# Altium PCB 运输机器人3-1.PcbDoc (part 1 of 2)
Units mm, origin at the board's own origin, x right, y up, seen from the top; angles counter-clockwise.
Board outline 125.02 x 100 mm, 2 copper layers (Top Layer, Bottom Layer); 140 components, 101 nets, 574 pads, 150 vias.
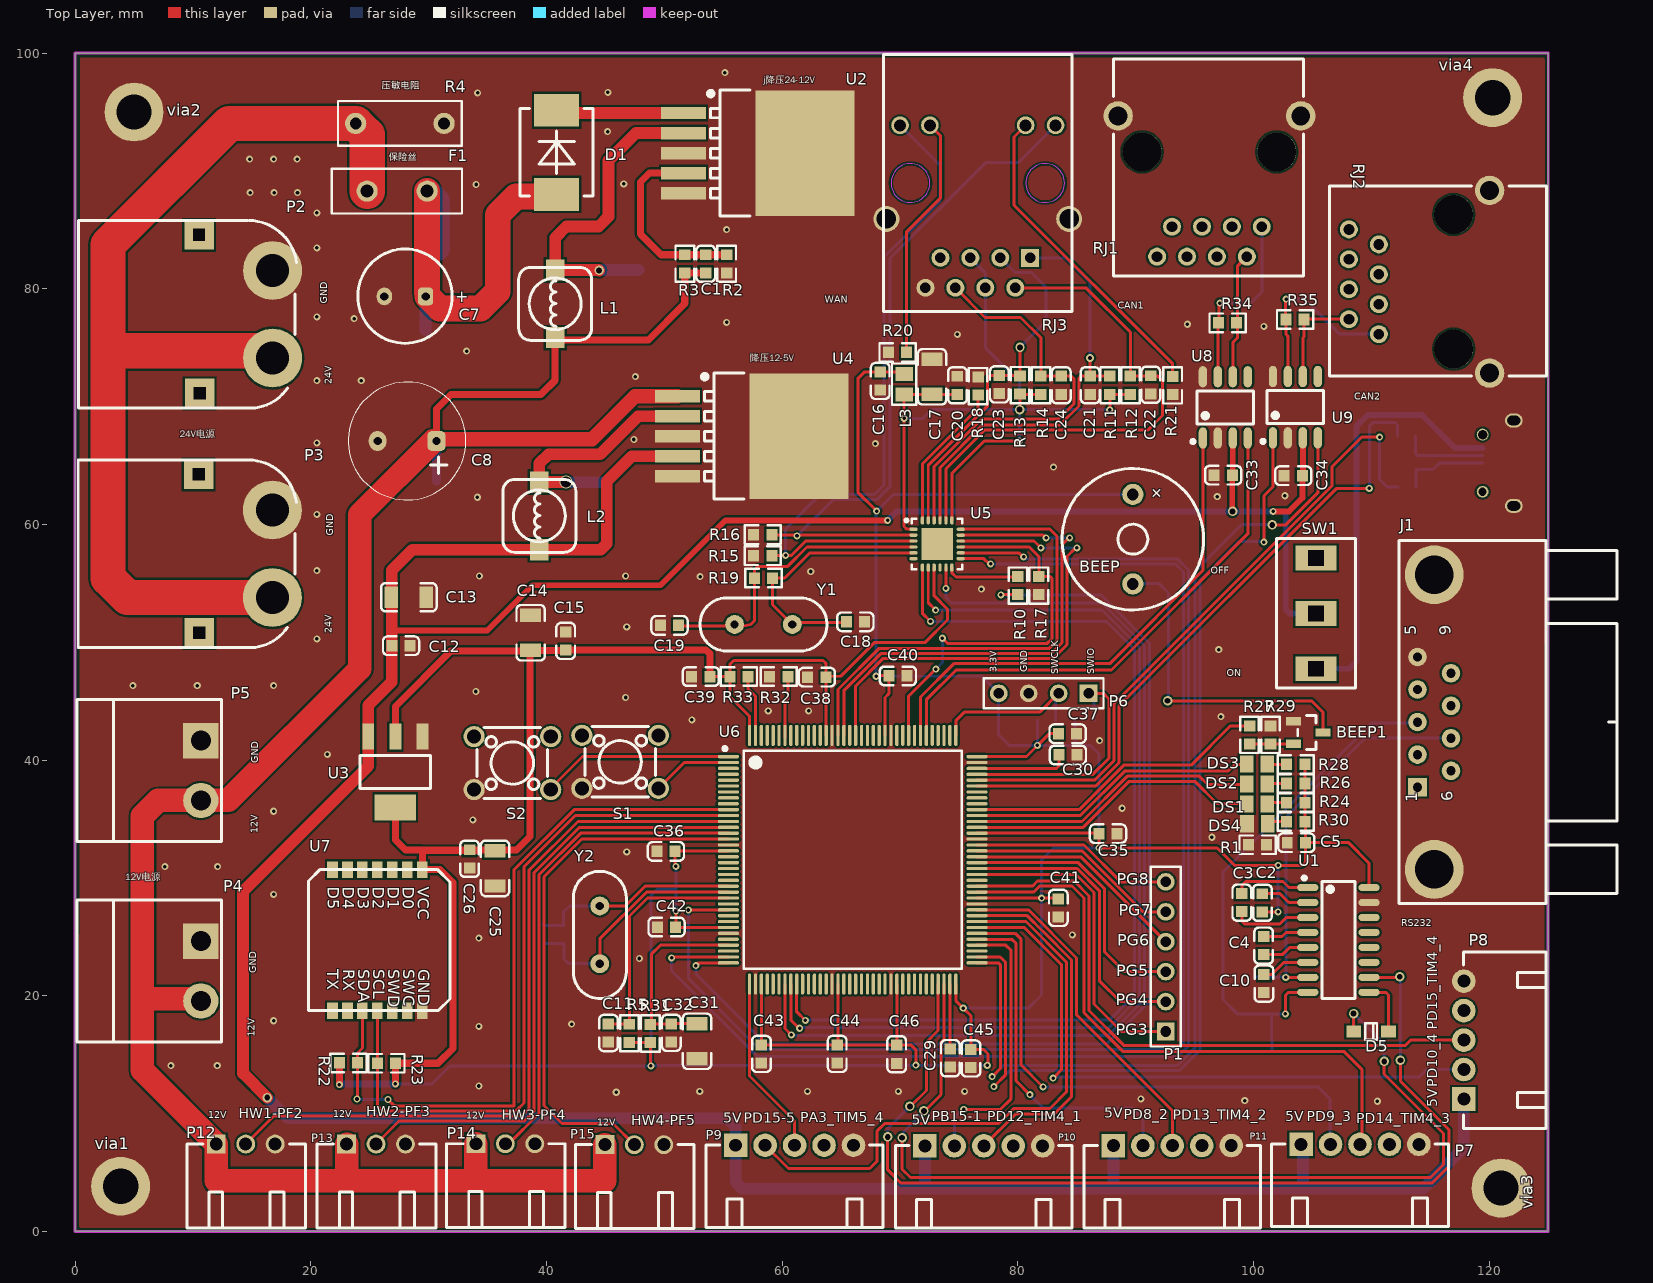
[diagram p0: Top Layer view]
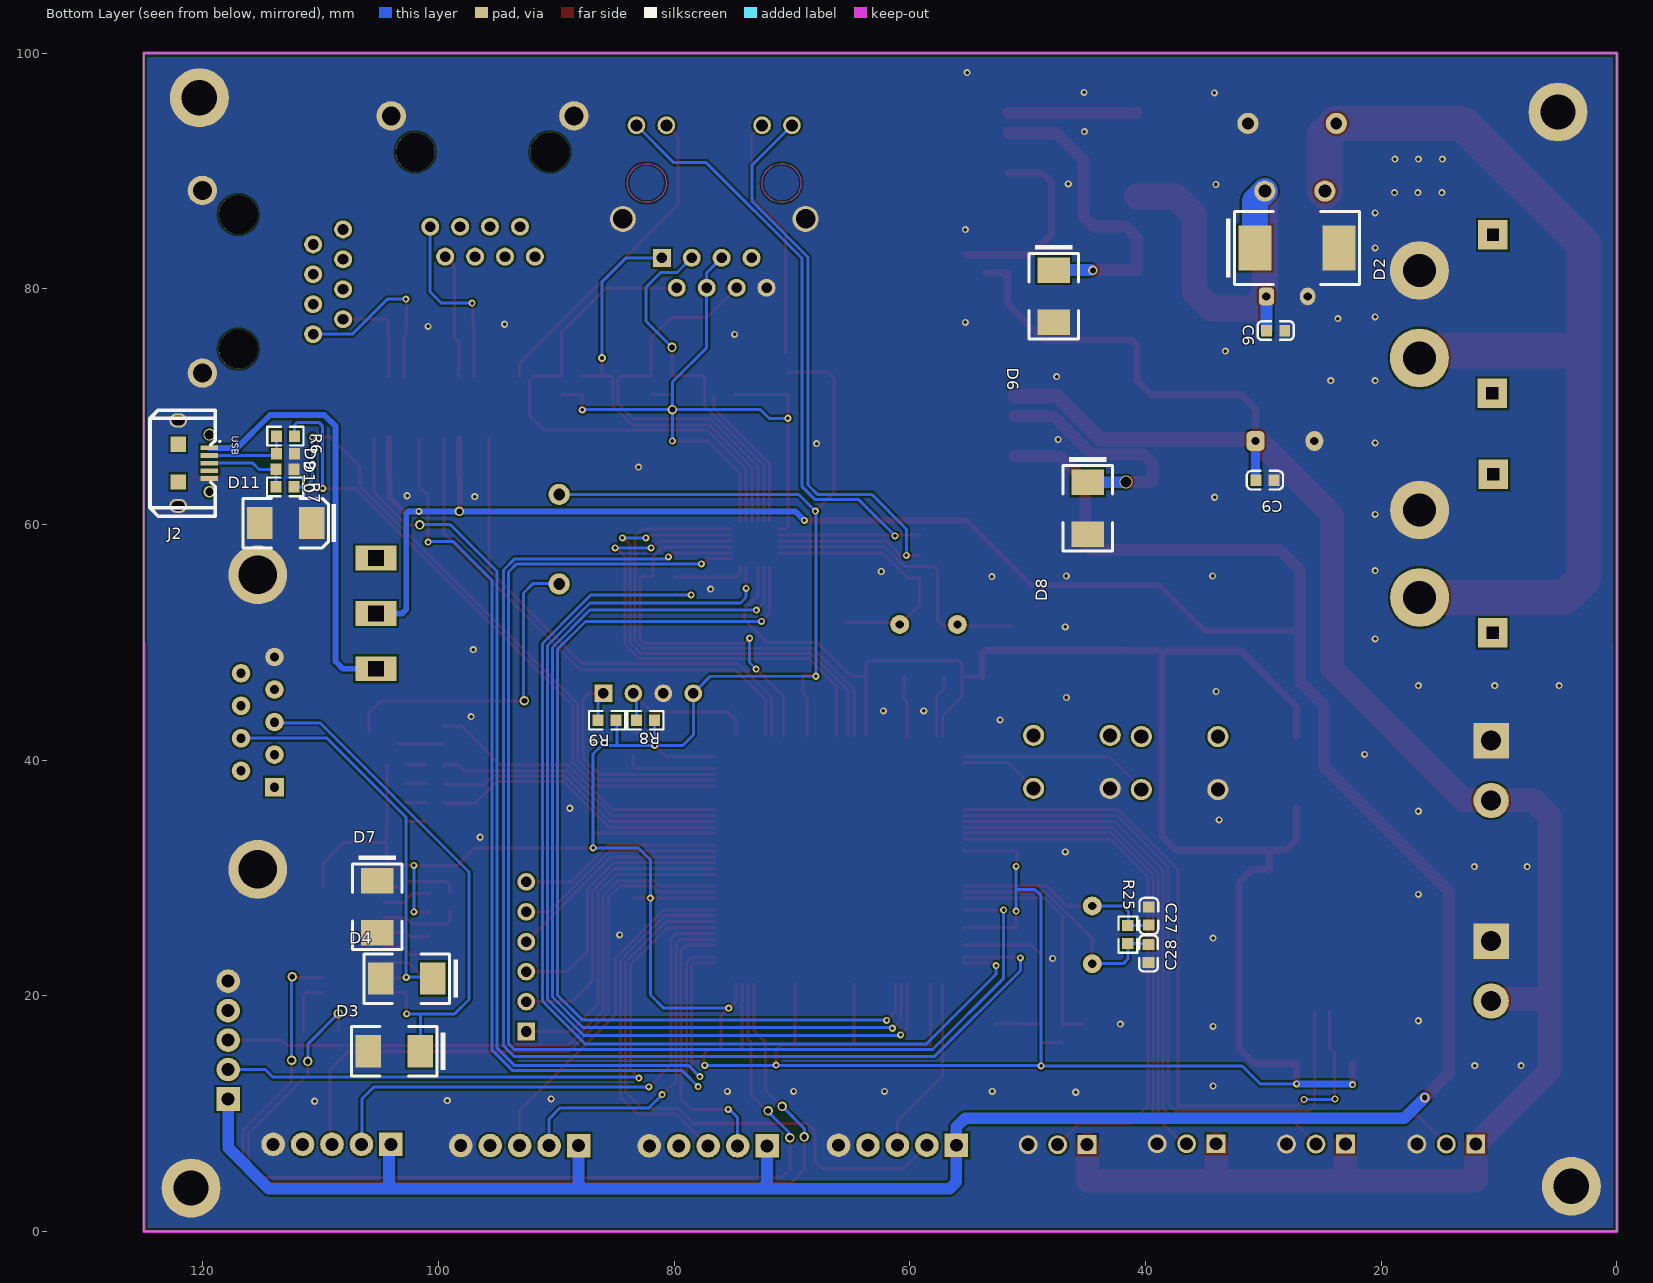
[diagram p1: Bottom Layer view, seen from below]
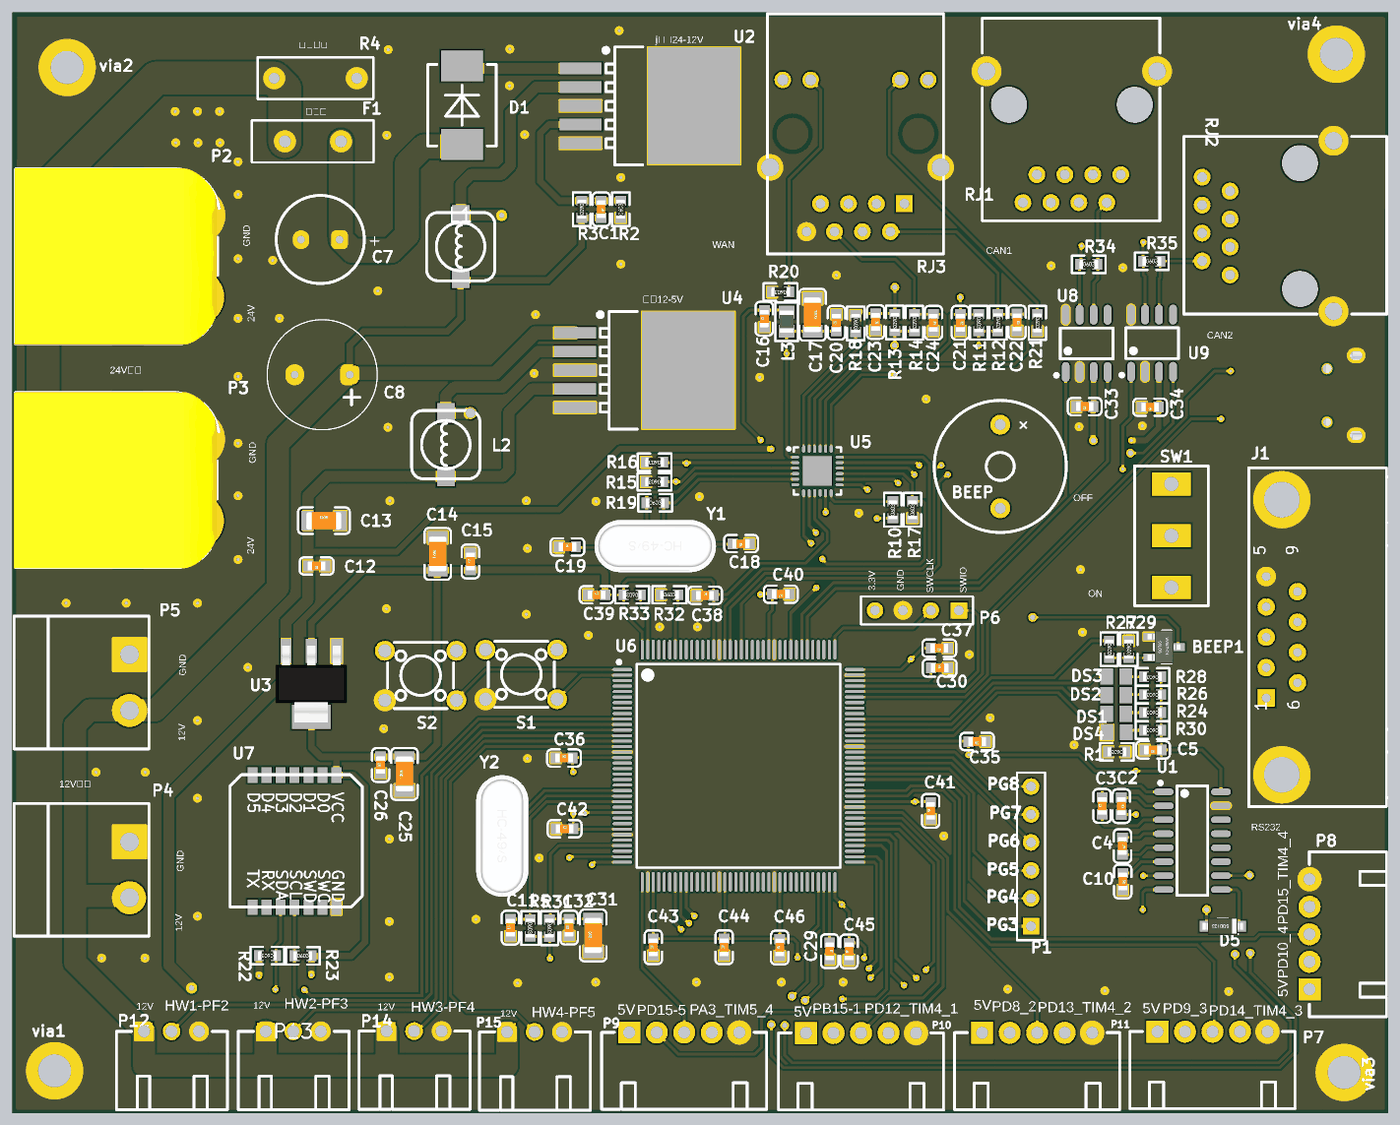
[diagram p3: 3D render of the assembled board from above, using the file's embedded part models]
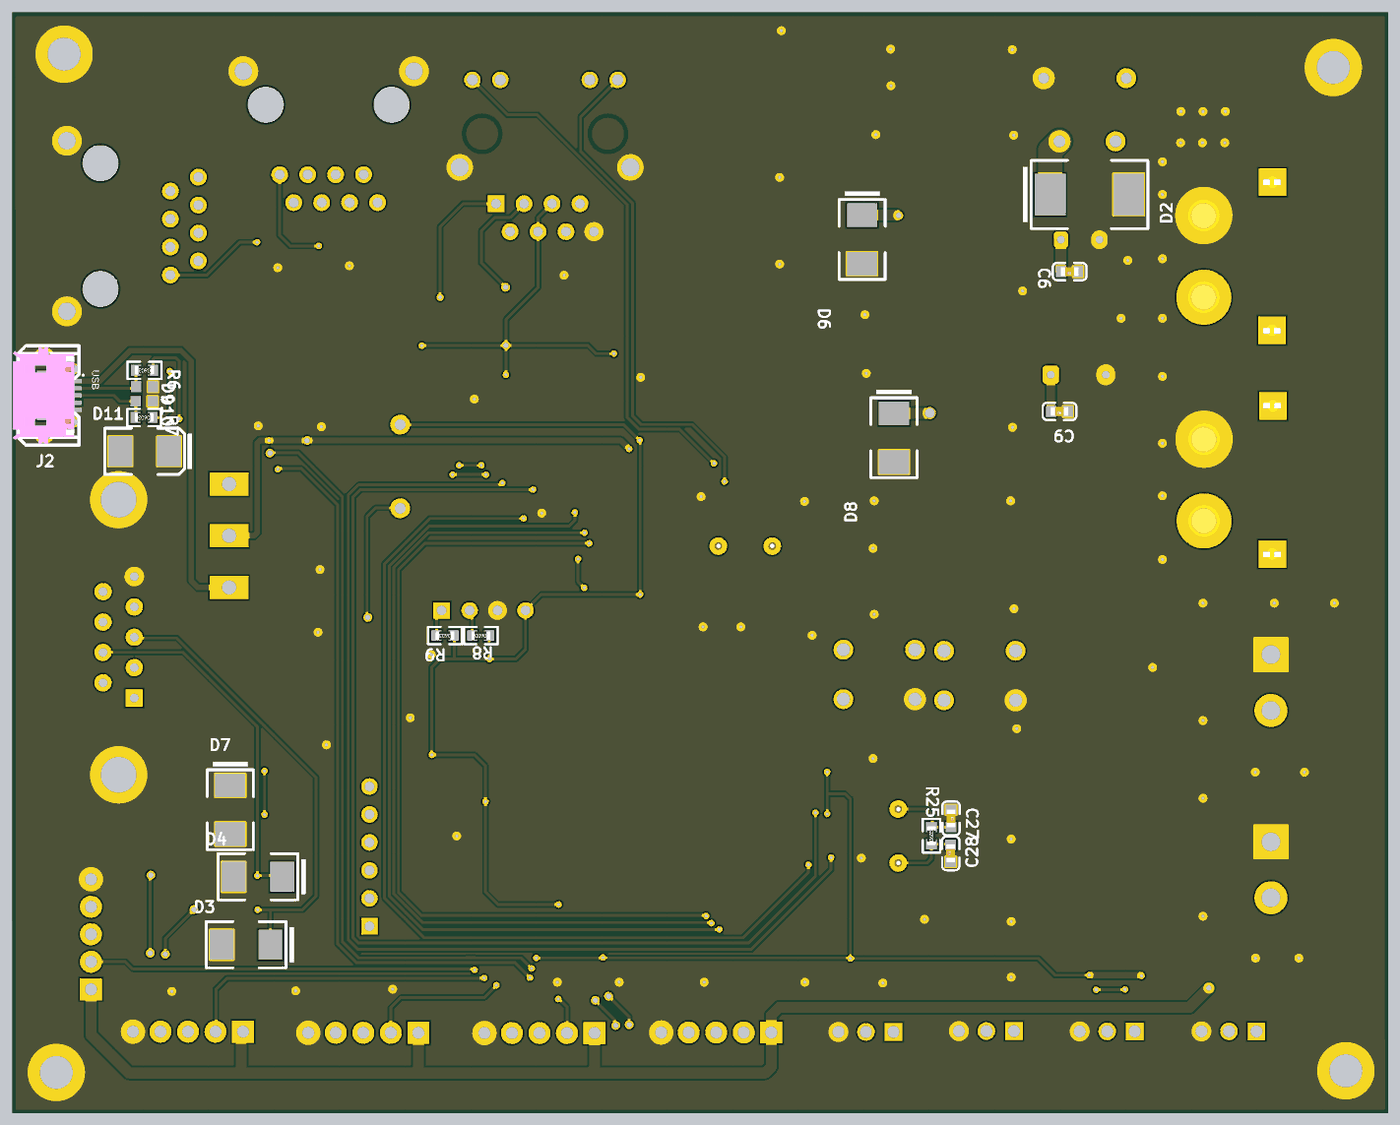
[diagram p4: 3D render of the assembled board from below, using the file's embedded part models]

## Layer stack, top to bottom
Top Solder: solder mask 0.0102, Solder Resist, Dk 3.5
Top Layer: signal copper 0.0356
Dielectric 1: dielectric 0.32, FR-4, Dk 4.8
Bottom Layer: signal copper 0.0356
Bottom Solder: solder mask 0.0102, Solder Resist, Dk 3.5

## Board outline
0,0 125,0 125.019,100 0,100

## Design rules (kind name [scope] priority, off if disabled: settings)
Clearance xian [All] p1: gap=0.17 ignorepadtopadclearanceinfootprint=FALSE except(0: Arc-Hole Track-Hole SMDPad-Hole THPad-Hole Via-Hole Fill-Hole Poly-Hole Region-Hole Text-Hole)
Clearance [All] p2: gap=0.254 ignorepadtopadclearanceinfootprint=FALSE except(0: Arc-Hole Track-Hole SMDPad-Hole THPad-Hole Via-Hole Fill-Hole Poly-Hole Region-Hole Text-Hole)
ComponentClearance [All] p1: gap=0 collisioncheckmode=3 verticalgap=0 showdistances=FALSE
PolygonConnect [All] p1: connectstyle=Direct reliefconductorwidth=0.254 reliefentries=4 polygonreliefangle="90 Angle" airgapwidth=0.254
RoutingVias [All] p1: holewidth=0.711 width=1.27 viastyle="Through Hole" minholewidth=0.711 minwidth=1.27 maxholewidth=0.711 maxwidth=1.27
SolderMaskExpansion [All] p1: expansion=0.102 istentingtop=FALSE
Width [All] p1: maxlimit=5 minlimit=0.254 preferedwidth=0.254
29 further rules are at their usual default settings.

## Components (designator, comment, footprint, x,y, rotation, side; value= is the part's Value field where it differs from the comment)
BEEP "BEEP" LB-BUZ-TH_BD12.0-P7.60-D0.6-FD 89.764,58.75 r270 top
BEEP1 "S8050" LC-SOT-23(SOT-23-3) 104.648,42.342 r180 top
C1 "100nF ±10% 50V" LC-0603_C 53.518,82.118 r270 top
C2 "100nF ±10% 50V" LC-0603_C 100.762,27.889 r270 top
C3 "100nF ±10% 50V" LC-0603_C 99.009,27.907 r90 top
C4 "100nF ±10% 50V" LC-0603_C 100.863,24.257 r270 top
C5 "100nF ±10% 50V" LC-0603_C 103.64,32.995 r180 top
C6 "100nF ±10% 50V" LC-0603_C 28.956,76.454 r0 bottom
C7 "100uF ±10% 50V" "C-RB.1/.4 8*12" 27.993,79.35 r0 top
C8 "220uF ±10% 50V" "C-RB.2/.4 ¦µ10" 28.169,67.081 r0 top
C9 "100nF ±10% 50V" LC-0603_C 29.87,63.754 r0 bottom
C10 "100nF ±10% 50V" LC-0603_C 100.889,21.031 r270 top
C11 "100nF ±10% 50V" LC-0603_C 45.263,16.84 r90 top
C12 "100nF ±10% 50V" LC-0603_C 27.661,49.708 r180 top
C13 "47uF ±10% 50V" LC-1206_C 28.321,53.823 r0 top
C14 "10uF ±10% 50V" LC-1206_C 38.659,50.809 r90 top
C15 "100nF ±10% 50V" LC-0603_C 41.631,50.114 r90 top
C16 "100nF ±10% 50V" LC-0603_C 68.326,72.178 r90 top
C17 "10uF ±10％ 50V" LC-1206_C 72.72,72.534 r270 top
C18 "22pF ±10% 50V" LC-0603_C 66.218,51.74 r180 top
C19 "22pF ±10% 50V" LC-0603_C 50.444,51.435 r0 top
C20 "22nF ±10% 50V" LC-0603_C 74.879,71.806 r90 top
C21 "10pF ±10% 50V" LC-0603_C 86.14,71.814 r270 top
C22 "10pF ±10% 50V" LC-0603_C 91.288,71.849 r270 top
C23 "10pF ±10% 50V" LC-0603_C 78.435,71.882 r270 top
C24 "10pF ±10% 50V" LC-0603_C 83.693,71.814 r270 top
C25 "10uF ±10% 50V" LC-1206_C 35.636,30.81 r90 top
C26 "100nF ±10% 50V" LC-0603_C 33.477,31.623 r90 top
C27 "22pF ±10% 50V" LC-0603_C 39.726,26.772 r270 bottom
C28 "22pF ±10% 50V" LC-0603_C 39.751,23.597 r90 bottom
C29 "2.2uF ±10% 50V" LC-0603_C 74.27,14.707 r270 top
C30 "2.2uF ±10% 50V" LC-0603_C 84.252,40.437 r0 top
C31 "10uF ±10％ 50V" LC-1206_C 52.781,16.138 r90 top
C32 "100nF ±10% 50V" LC-0603_C 50.597,16.849 r90 top
C33 "100nF ±10% 50V" LC-0603_C 97.434,64.186 r180 top
C34 "100nF ±10% 50V" LC-0603_C 103.378,64.135 r180 top
C35 "100nF ±10% 50V" LC-0603_C 87.655,33.757 r180 top
C36 "100nF ±10% 50V" LC-0603_C 50.14,32.258 r0 top
C37 "100nF ±10% 50V" LC-0603_C 84.226,42.24 r180 top
C38 "100nF ±10% 50V" LC-0603_C 62.941,47.041 r0 top
C39 "100nF ±10% 50V" LC-0603_C 53.095,47.092 r0 top
C40 "100nF ±10% 50V" LC-0603_C 69.825,47.142 r180 top
C41 "100nF ±10% 50V" LC-0603_C 83.439,27.457 r90 top
C42 "100nF ±10% 50V" LC-0603_C 50.19,25.832 r0 top
C43 "100nF ±10% 50V" LC-0603_C 58.242,15.062 r90 top
C44 "100nF ±10% 50V" LC-0603_C 64.676,15.062 r90 top
C45 "100nF ±10% 50V" LC-0603_C 76.022,14.681 r90 top
C46 "100nF ±10% 50V" LC-0603_C 69.723,15.037 r90 top
D1 "SS56" LC-SMC(DO-214AB)_S2 40.869,91.58 r270 top
D2 "TPSMCJ30CA" LC-SMC(DO-214AB)_S4 27.153,83.464 r180 bottom
D3 "SMBJ12CA" LC-SMB(DO-214AA)_S4 103.771,15.291 r0 bottom
D4 "SMBJ12CA" LC-SMB(DO-214AA)_S4 102.69,21.463 r0 bottom
D5 "B0540肖特基二极管备用" LC-SOD-123 109.982,16.967 r180 top
D6 "SS54" LC-SMB(DO-214AA)_S4 47.803,79.375 r270 bottom
D7 "SMBJ12CA" LC-SMB(DO-214AA)_S4 105.207,27.559 r270 bottom
D8 "SS54" LC-SMB(DO-214AA)_S4 44.907,61.366 r270 bottom
D9 "ESD0402 美国力特" LC-0603 112.997,65.989 r0 bottom
D10 "ESD0402-140 美国立特" LC-0603 113.022,64.668 r0 bottom
D11 "SMBJ15CA" LC-SMB(DO-214AA)_S5 112.979,60.122 r0 bottom
DS1 "LED1" LC-0805 100.305,36.271 r180 top
DS2 "LED1" LC-0805 100.305,37.973 r180 top
DS3 "LED1" LC-0805 100.305,39.675 r180 top
DS4 "LED0" LC-0805 100.33,34.595 r180 top
F1 "JK30 10A" JK60-110 27.33,88.29 r0 top
J1 "D Connector 9" LB-DSUB-TH_DMR-9P 115.344,43.231 r0 top
J2 "MicroUSB" "MicroUSB - Å£½ÇÎÞ±ß" 119.448,65.202 r0 bottom
L1 "Inductor" SMDRH63 40.742,81.595 r0 top
L2 "Inductor" SMDRH63 39.395,63.602 r0 top
L3 "220R,2.0A,0.05DCR" LC-0805_L 70.358,71.899 r90 top
P1 "Header 6" HDR1X6 92.558,16.967 r90 top
P2 "Header 2" LB-XT60PW 10.541,77.851 r90 top
P3 "Header 2" LB-XT60PW 10.516,57.525 r90 top
P4 "Header 2" LB-CONN-TH_2P-P5.08_WJ2EDGRC-5.08-2P 10.668,22.098 r270 top
P5 "Header 2" LB-CONN-TH_2P-P5.08_WJ2EDGRC-5.08-2P 10.668,39.116 r270 top
P6 "Header 4" HDR1X4 86.004,45.669 r180 top
P7 "Header 5" LB-CONN-TH_5P-P2.50_X8821WR-05S-N0SN 109.042,7.391 r0 top
P8 "Header 5" LB-CONN-TH_5P-P2.50_X8821WR-05S-N0SN 117.856,16.241 r90 top
P9 "Header 5" LB-CONN-TH_5P-P2.50_X8821WR-05S-N0SN 61.058,7.315 r0 top
P10 "Header 5" LB-CONN-TH_5P-P2.50_X8821WR-05S-N0SN 77.114,7.264 r0 top
P11 "Header 5" LB-CONN-TH_5P-P2.50_X8821WR-05S-N0SN 93.116,7.29 r0 top
P12 "Header 3" LB-CONN-TH_3P-P2.50_X8821WR-03S-N0SN 14.478,7.417 r0 top
P13 "Header 3" LB-CONN-TH_3P-P2.50_X8821WR-03S-N0SN 25.538,7.417 r0 top
P14 "Header 3" LB-CONN-TH_3P-P2.50_X8821WR-03S-N0SN 36.514,7.442 r0 top
P15 "Header 3" LB-CONN-TH_3P-P2.50_X8821WR-03S-N0SN 47.458,7.366 r0 top
R1 "1KΩ ±1%" LC-0603_R 100.355,32.817 r180 top
R2 "2KΩ ±1%" LC-0603_R 55.296,82.118 r90 top
R3 "20KΩ ±1%" LC-0603_R 51.74,82.118 r270 top
R4 "30V 720pF" R-7.5 27.559,94.031 r180 top
R5 "10KΩ ±1%" LC-0603_R 47.041,16.815 r270 top
R6 "0R ± 1%" LC-0603_R 112.997,67.488 r0 bottom
R7 "0R ± 1%" LC-0603_R 113.03,63.195 r0 bottom
R8 "120Ω ±1%" LC-0603_R 82.448,43.383 r0 bottom
R9 "120Ω ±1%" LC-0603_R 85.7,43.383 r0 bottom
R10 "510Ω ±1%" LC-0603_R 80.01,54.813 r90 top
R11 "49.9Ω ±1%" LC-0603_R 87.808,71.814 r270 top
R12 "49.9Ω ±1%" LC-0603_R 89.56,71.814 r270 top
R13 "49.9Ω ±1%" LC-0603_R 80.188,71.831 r270 top
R14 "49.9Ω ±1%" LC-0603_R 81.966,71.814 r270 top
R15 "10KΩ ±1%" LC-0603_R 58.353,57.353 r180 top
R16 "10KΩ ±1%" LC-0603_R 58.361,59.131 r180 top
R17 "10KΩ ±1%" LC-0603_R 81.788,54.813 r90 top
R18 "12KΩ ±1%" LC-0603_R 76.632,71.738 r270 top
R19 "1M ±1%" LC-0603_R 58.42,55.448 r0 top
R20 "510Ω ±1%" LC-0603_R 69.799,74.6 r180 top
R21 "510Ω ±1%" LC-0603_R 93.142,71.798 r270 top
R22 "4.7KΩ ±1%" LC-0603_R 23.19,14.3 r180 top
R23 "4.7KΩ ±1%" LC-0603_R 26.416,14.275 r0 top
R24 "510Ω ±1%" LC-0603_R 103.589,36.398 r180 top
R25 "1M ±1%" LC-0603_R 41.504,25.197 r90 bottom
R26 "510Ω ±1%" LC-0603_R 103.589,38.015 r180 top
R27 "1KΩ ±1%" LC-0603_R 99.67,42.139 r270 top
R28 "510Ω ±1%" LC-0603_R 103.589,39.632 r180 top
R29 "10KΩ ±1%" LC-0603_R 101.448,42.139 r270 top
R30 "510Ω ±1%" LC-0603_R 103.589,34.781 r180 top
R31 "10Ω ± 1%" LC-0603_R 48.819,16.798 r270 top
R32 "10KΩ ±1%" LC-0603_R 59.715,47.092 r0 top
R33 "120Ω ±1%" LC-0603_R 56.329,47.092 r180 top
R34 "120Ω ±1%" LC-0603_R 97.807,77.114 r0 top
R35 "120Ω ±1%" LC-0603_R 103.53,77.394 r0 top
RJ1 "R-RJ45R10P-B000" LB-RJ45-TH_R-RJ45R10P-B000 96.266,88.697 r0 top
RJ2 "R-RJ45R10P-B000" LB-RJ45-TH_R-RJ45R10P-B000 114.072,80.594 r270 top
RJ3 "RJ45" LB-HR911105A 76.606,88.976 r0 top
S1 "KEY0" LB-SW-TH_4P-L6.0-W6.0-P4.50-LS6.5 46.253,39.853 r180 top
S2 "KEY1" LB-SW-TH_4P-L6.0-W6.0-P4.50-LS6.5 37.109,39.751 r180 top
SW1 "SS-12D06L5" LB-SW-TH_SS-12D10L5 105.308,52.451 r270 top
U1 "SP3232EEN" LC-SOIC-16_150mil 107.213,24.74 r270 top
U2 "LM2596-ADJ" LC-TO-263-5 51.638,91.514 r180 top
U3 "AMS1117-3.3" LC-SOT-223 27.178,38.989 r90 top
U4 "LM2596-5" LC-TO-263-5 51.13,67.49 r180 top
U5 "LAN8720A" LC-QFN-24_4x4x05P 73.152,58.344 r270 top
U6 "STM32F407ZET6" LC-LQFP-144_20x20x05P 65.989,31.547 r270 top
U7 "WT931" LB-WT931 15.598,43.52 r270 top
U8 "TJA1050" LC-SOIC-8_150mil 97.612,69.935 r0 top
U9 "TJA1050" LC-SOIC-8_150mil 103.556,69.952 r0 top
via1 "via" HOLE 3.861,3.835 r0 top
via2 "via" HOLE 5,95 r0 top
via3 "via" HOLE 121.006,3.683 r0 top
via4 "via" HOLE 120.294,96.215 r0 top
Y1 "25MHz" LC-HC-49S 58.42,51.511 r180 top
Y2 "8MHz" LC-HC-49S 44.526,25.171 r270 top

## Footprints (in the part's own frame and the unit in brackets; to place one, negate y for a bottom-side part, rotate by r counter-clockwise, add the part's x,y. Pads: shape width x height; smd on the part's side, far side on the other; paste and mask are expansions set on the pad)
"C-RB.1/.4 8*12" [mm]
  rrect50% 1.3x1.5 hole 0.711: 1(1.75,0)
  oval 1.3x1.5 hole 0.711: 2(-1.75,0)
  silkscreen extent -4,-3.97 4,4.03
"C-RB.2/.4 ¦µ10" [mm]
  rrect50% 1.5x1.7 hole 0.711: 1(2.5,0)
  oval 1.5x1.7 hole 0.711: 2(-2.5,0)
  silkscreen extent -5,-5 5,5
HDR1X4 [mm]
  rect 1.5x1.5 hole 0.889: 1(0,0)
  round 1.5 hole 0.889: 2(2.54,0) 3(5.08,0) 4(7.62,0)
  silkscreen extent -1.27,-1.27 8.89,1.27
HDR1X6 [mm] "Connector; Header; 6 Position"
  rect 1.5x1.5 hole 0.9: 1(0,0)
  round 1.5 hole 0.9: 2(2.54,0) 3(5.08,0) 4(7.62,0) 5(10.16,0) 6(12.7,0)
  silkscreen extent -1.27,-1.27 13.97,1.27
HOLE [mm]
  round 5 hole 3: 1(0,0)
JK60-110 [mm] "Radial Cap, Thru-Hole; 2 Leads; 0.3 in Pin Spacing"
  round 1.8 hole 1.1: 1(-2.55,0) 2(2.55,0)
  silkscreen extent -5.55,-1.91 5.5,1.91
LB-BUZ-TH_BD12.0-P7.60-D0.6-FD [mm]
  round 1.8 hole 1: 1(-3.8,0) 2(3.8,0)
  silkscreen extent -6,-6 6,6
LB-CONN-TH_2P-P5.08_WJ2EDGRC-5.08-2P [mm]
  rect 3x3 hole 1.7: 1(-2.54,0)
  round 3 hole 1.7: 2(2.54,0)
  silkscreen extent -6.03,-10.5 6.03,1.75
LB-CONN-TH_3P-P2.50_X8821WR-03S-N0SN [mm]
  rect 1.6x1.6 hole 1.1: 1(-2.5,0)
  round 1.6 hole 1.1: 2(0,0) 3(2.5,0)
  silkscreen extent -5,-7.11 5.08,0
LB-CONN-TH_5P-P2.50_X8821WR-05S-N0SN [mm]
  rect 2x2 hole 1.1: 1(-5,0)
  round 2 hole 1.1: 2(-2.5,0) 3(0,0) 4(2.5,0) 5(5,0)
  silkscreen extent -7.5,-6.98 7.49,0.02
LB-DSUB-TH_DMR-9P [mm]
  rect 1.575x1.575 hole 0.8: 1(-1.42,-5.52)
  round 1.575 hole 0.8: 2(-1.42,-2.76) 3(-1.42,0) 4(-1.42,2.76) 5(-1.42,5.52) 6(1.42,-4.14) 7(1.42,-1.38) 8(1.42,1.38) 9(1.42,4.14)
  round 5 hole 3.25: 10(0,12.5) 11(0,-12.5)
  silkscreen extent -3,-15.4 15.5,15.4
LB-HR911105A [mm]
  rect 1.524x1.524 hole 0.889: 1(4.45,-6.35)
  round 1.524 hole 0.889: 2(3.18,-8.89) 3(1.91,-6.35) 4(0.64,-8.89) 5(-0.63,-6.35) 6(-1.9,-8.89) 7(-3.17,-6.35) 8(-4.44,-8.89)
  round 1.5 hole 1.02: 9(6.6,4.9) 10(4.064,4.9) 11(-4.064,4.9) 12(-6.6,4.9)
  round 2.2 hole 1.65: 13(7.75,-3.048) 14(-7.75,-3.048)
  Keep-Out Layer circle w0.051: c-5.714,0 r1.65
  Keep-Out Layer circle w0.051: c5.716,0 r1.65
  silkscreen extent -8,-10.92 8,10.92
LB-RJ45-TH_R-RJ45R10P-B000 [mm]
  round 1.524 hole 0.914: 1(4.445,-3.43) 2(3.175,-5.97) 3(1.905,-3.43) 4(0.635,-5.97) 5(-0.635,-3.43) 6(-1.905,-5.97) 7(-3.175,-3.43) 8(-4.445,-5.97)
  round 2.5 hole 1.6: 9(-7.75,5.97) 10(7.75,5.97)
  round 3.3 hole 3.3 unplated: ""(-5.715,2.92) ""(5.715,2.92)
  silkscreen extent -8.13,-7.62 8,10.79
LB-SW-TH_4P-L6.0-W6.0-P4.50-LS6.5 [mm]
  round 1.8 hole 1.2: 1(-3.25,2.25) 2(3.25,2.25) 3(-3.25,-2.25) 4(3.25,-2.25)
  silkscreen extent -3,-3 3,3
LB-SW-TH_SS-12D10L5 [mm]
  rect 2.1x3.5 hole 1.3 square: 1(-4.7,0) 2(0,0) 3(4.7,0)
  silkscreen extent -6.35,-3.35 6.35,3.35
LB-WT931 [mm]
  rect 1.4x0.9 smd: 1(12.812,13.866) 2(12.812,7.516) 3(12.812,8.786) 4(12.812,10.056) 5(12.812,6.246) 5(12.812,11.326) 6(12.812,12.596) 8(24.812,13.866) 9(24.812,12.596) 10(24.812,11.326) 11(24.812,10.056) 12(24.812,8.786) 13(24.812,7.516) 14(24.812,6.246)
  silkscreen extent 12.79,4.21 24.79,16.21
LB-XT60PW [mm]
  rect 2.5x2.5 hole 1 square: 0(-6.725,-0.025) 0(6.725,0.025)
  round 5 hole 2.8: 1(3.7,-6.225) 2(-3.725,-6.225)
  silkscreen extent -7.95,-8.26 7.95,10.25, body extent -8.02,-8.05 7.97,10.35, height 2.4
LC-0603 [mm]
  rect 0.93x0.98 smd: 1(-0.77,0) 2(0.77,0)
LC-0603_C [mm]
  rect 0.93x0.98 smd: 1(-0.77,0) 2(0.77,0)
  silkscreen extent -1.53,-0.79 1.54,0.79, body extent -0.8,-0.4 0.8,0.4, height 0.3
LC-0603_R [mm]
  rect 0.93x0.98 smd: 1(-0.77,0) 2(0.77,0)
  silkscreen extent -1.53,-0.79 1.54,0.79, body extent -0.85,-0.4 0.85,0.4, height 0.56
LC-0805 [mm]
  rect 1.16x1.47 smd: 1(-0.875,0) 2(0.875,0)
LC-0805_L [mm]
  rect 1.16x1.47 smd: 1(-0.875,0) 2(0.875,0)
  silkscreen extent -1.76,-1.04 1.76,1.03, body extent -1.02,-0.64 1.03,0.64, height 0.6
LC-1206_C [mm]
  rect 1.13x1.8 smd: 1(-1.49,0) 2(1.49,0)
  silkscreen extent -2.36,-1.2 2.35,1.2, body extent -1.6,-0.81 1.6,0.79, height 1
LC-HC-49S [mm]
  round 1.6 hole 0.7: 1(-2.45,0) 2(2.45,0)
  silkscreen extent -5.39,-2.25 5.39,2.25, body extent -5.39,-2.27 5.41,2.23, height 3.6
LC-LQFP-144_20x20x05P [mm]
  oval 0.28x1.8 smd mask+0.051: 1(-8.75,-10.55) 2(-8.25,-10.55) 3(-7.75,-10.55) 4(-7.25,-10.55) 5(-6.75,-10.55) 6(-6.25,-10.55) 7(-5.75,-10.55) 8(-5.25,-10.55) 9(-4.75,-10.55) 10(-4.25,-10.55) 11(-3.75,-10.55) 12(-3.25,-10.55) 13(-2.75,-10.55) 14(-2.25,-10.55) 15(-1.75,-10.55) 16(-1.25,-10.55) 17(-0.75,-10.55) 18(-0.25,-10.55) 19(0.25,-10.55) 20(0.75,-10.55) 21(1.25,-10.55) 22(1.75,-10.55) 23(2.25,-10.55) 24(2.75,-10.55) 25(3.25,-10.55) 26(3.75,-10.55) 27(4.25,-10.55) 28(4.75,-10.55) 29(5.25,-10.55) 30(5.75,-10.55) 31(6.25,-10.55) 32(6.75,-10.55) 33(7.25,-10.55) 34(7.75,-10.55) 35(8.25,-10.55) 36(8.75,-10.55) 73(8.75,10.55) 74(8.25,10.55) 75(7.75,10.55) 76(7.25,10.55) 77(6.75,10.55) 78(6.25,10.55) 79(5.75,10.55) 80(5.25,10.55) 81(4.75,10.55) 82(4.25,10.55) 83(3.75,10.55) 84(3.25,10.55) 85(2.75,10.55) 86(2.25,10.55) 87(1.75,10.55) 88(1.25,10.55) 89(0.75,10.55) 90(0.25,10.55) 91(-0.25,10.55) 92(-0.75,10.55) 93(-1.25,10.55) 94(-1.75,10.55) 95(-2.25,10.55) 96(-2.75,10.55) 97(-3.25,10.55) 98(-3.75,10.55) 99(-4.25,10.55) 100(-4.75,10.55) 101(-5.25,10.55) 102(-5.75,10.55) 103(-6.25,10.55) 104(-6.75,10.55) 105(-7.25,10.55) 106(-7.75,10.55) 107(-8.25,10.55) 108(-8.75,10.55)
  oval 1.8x0.28 smd mask+0.051: 37(10.55,-8.75) 38(10.55,-8.25) 39(10.55,-7.75) 40(10.55,-7.25) 41(10.55,-6.75) 42(10.55,-6.25) 43(10.55,-5.75) 44(10.55,-5.25) 45(10.55,-4.75) 46(10.55,-4.25) 47(10.55,-3.75) 48(10.55,-3.25) 49(10.55,-2.75) 50(10.55,-2.25) 51(10.55,-1.75) 52(10.55,-1.25) 53(10.55,-0.75) 54(10.55,-0.25) 55(10.55,0.25) 56(10.55,0.75) 57(10.55,1.25) 58(10.55,1.75) 59(10.55,2.25) 60(10.55,2.75) 61(10.55,3.25) 62(10.55,3.75) 63(10.55,4.25) 64(10.55,4.75) 65(10.55,5.25) 66(10.55,5.75) 67(10.55,6.25) 68(10.55,6.75) 69(10.55,7.25) 70(10.55,7.75) 71(10.55,8.25) 72(10.55,8.75) 109(-10.55,8.75) 110(-10.55,8.25) 111(-10.55,7.75) 112(-10.55,7.25) 113(-10.55,6.75) 114(-10.55,6.25) 115(-10.55,5.75) 116(-10.55,5.25) 117(-10.55,4.75) 118(-10.55,4.25) 119(-10.55,3.75) 120(-10.55,3.25) 121(-10.55,2.75) 122(-10.55,2.25) 123(-10.55,1.75) 124(-10.55,1.25) 125(-10.55,0.75) 126(-10.55,0.25) 127(-10.55,-0.25) 128(-10.55,-0.75) 129(-10.55,-1.25) 130(-10.55,-1.75) 131(-10.55,-2.25) 132(-10.55,-2.75) 133(-10.55,-3.25) 134(-10.55,-3.75) 135(-10.55,-4.25) 136(-10.55,-4.75) 137(-10.55,-5.25) 138(-10.55,-5.75) 139(-10.55,-6.25) 140(-10.55,-6.75) 141(-10.55,-7.25) 142(-10.55,-7.75) 143(-10.55,-8.25) 144(-10.55,-8.75)
  silkscreen extent -9.57,-11 9.25,9.25
LC-QFN-24_4x4x05P [mm]
  rect 2.68x2.68 smd mask+0.051: 0(0,0)
  oval 0.28x0.7 smd mask+0.051: 1(-1.25,-2) 2(-0.75,-2) 3(-0.25,-2) 4(0.25,-2) 5(0.75,-2) 6(1.25,-2) 13(1.25,2) 14(0.75,2) 15(0.25,2) 16(-0.25,2) 17(-0.75,2) 18(-1.25,2)
  oval 0.7x0.28 smd mask+0.051: 7(2,-1.25) 8(2,-0.75) 9(2,-0.25) 10(2,0.25) 11(2,0.75) 12(2,1.25) 19(-2,1.25) 20(-2,0.75) 21(-2,0.25) 22(-2,-0.25) 23(-2,-0.75) 24(-2,-1.25)
  silkscreen extent -2.15,-2.72 2.15,2.15
LC-SMB(DO-214AA)_S4 [mm]
  rect 2.159x2.743 smd: 1(2.21,0) 2(-2.21,0)
  silkscreen extent -4.35,-2.1 3.62,2.1
LC-SMB(DO-214AA)_S5 [mm]
  rect 2.159x2.743 smd: 1(2.21,0) 2(-2.21,0)
  silkscreen extent -4.29,-2.1 3.62,2.1
LC-SMC(DO-214AB)_S2 [mil]
  rect 110x150 smd: 1(140.49,0) 2(-140.49,0)
  silkscreen extent -146,-122 146,122
LC-SMC(DO-214AB)_S4 [mil]
  rect 110x150 smd: 1(140.49,0) 2(-140.49,0)
  silkscreen extent -237,-122 209,122
LC-SOD-123 [mm]
  rect 1.25x1 smd: 1(1.475,0) 2(-1.475,0)
  silkscreen extent -0.5,-0.7 0.5,0.7, body extent -1.85,-0.77 1.85,0.78, height 1.35
LC-SOIC-8_150mil [mm]
  oval 0.7x1.8 smd: 1(-1.905,-2.6) 2(-0.635,-2.6) 3(0.635,-2.6) 4(1.905,-2.6) 5(1.905,2.6) 6(0.635,2.6) 7(-0.635,2.6) 8(-1.905,2.6)
  silkscreen extent -2.9,-3.05 2.4,1.4
LC-SOIC-16_150mil [mm]
  oval 0.6x1.8 smd: 1(-4.445,-2.6) 2(-3.175,-2.6) 3(-1.905,-2.6) 4(-0.635,-2.6) 5(0.635,-2.6) 6(1.905,-2.6) 7(3.175,-2.6) 8(4.445,-2.6) 9(4.445,2.6) 10(3.175,2.6) 11(1.905,2.6) 12(0.635,2.6) 13(-0.635,2.6) 14(-1.905,2.6) 15(-3.175,2.6) 16(-4.445,2.6)
  silkscreen extent -5.4,-3.05 4.97,1.4
LC-SOT-23(SOT-23-3) [mm]
  rect 1.25x0.7 smd: 1(1.25,-0.95) 2(1.25,0.95) 3(-1.25,0)
  silkscreen extent -0.65,-1.46 0.9,1.46, body extent -1.5,-1.5 1.5,1.5, height 1.3
LC-SOT-223 [mm]
  rect 2.2x1 smd: 1(3,-2.3) 2(3,0) 3(3,2.3)
  rect 2.2x3.5 smd: 2(-3,0)
  silkscreen extent -1.4,-3 1.4,3, body extent -3.49,-3.24 3.49,3.24, height 1.64
LC-TO-263-5 [mm]
  rect 8.4x10.65 smd: 0(-10.3,0)
  rect 3.8x1.05 smd: 1(0,-3.4) 2(0,-1.7) 3(0,0) 4(0,1.7) 5(0,3.4)
  silkscreen extent -5.65,-5.35 -2.1,5.35
"MicroUSB - Å£½ÇÎÞ±ß" [mm] "Connector; USB1.1, Type B, SM; 4 Position; Right Angle"
  rect 1.5x0.4 smd mask+0.001: 1(0,-1.3) 2(0,-0.65) 3(0,0) 4(0,0.65) 5(0,1.3)
  oval 1.5x1.2 hole 0.8 slot 1.1 at 0 deg: 6(2.65,-3.625) 7(2.65,3.625)
  rect 1.3x1.3 smd: 8(2.65,-1.6) 8(2.65,1.6)
  round 1 hole 0.7 unplated mask+0.001: MH1(0,2.425)
  round 1 hole 0.8 unplated mask+0.001: MH2(0,-2.425)
  silkscreen extent -0.89,-4.51 5.04,4.51, body extent -0.11,-4.39 5.52,4.41, height 2.79
R-7.5 [mm] "Radial Cap, Thru-Hole; 2 Leads; 0.3 in Pin Spacing"
  round 1.8 hole 1: 1(-3.75,0) 2(3.75,0)
  silkscreen extent -5.25,-1.91 5.25,1.91
SMDRH63 [mm]
  rect 1.6x1.8 smd: 1(0,0) 2(0,-5.74)
  silkscreen extent -3.1,-5.97 3.1,0.23

## Part data
BEEP1: library part NPN, "8050/BCW846/BCW847"
C1 C6 C9 C12 C15 C16 C17 C20 C21 C22 C23 C24 C25 C26: library part Cap, "Capacitor"
C2 C3 C4 C5 C10 C18 C19 C27 C28 C29 C30 C31 C32 C33 C34 C35 C36 C37 C38 C39 C40 C41 C42 C43 C44 C45 C46: library part C
C7 C8 C13 C14: library part "Cap Pol1", "Polarized Capacitor (Radial)"
C11: library part "Cap Semi", "Capacitor (Semiconductor SIM Model)"
D1 D5 D6 D8: library part "D Schottky", "Schottky Diode"
D2 D3 D4 D7 D9 D10 D11: library part "D Zener", "Zener Diode"
DS1 DS2 DS3 DS4: library part LED2, "Typical RED, GREEN, YELLOW, AMBER GaAs LED"
F1: library part "Self-healing fuse/HRL30-500"
J1: "Receptacle Assembly, 9 Position, Right Angle"
L3: library part L
P1: "Header, 6-Pin"
P2 P3 P4 P5: "Header, 2-Pin"
P6: "Header, 4-Pin"
P7 P8 P9 P10 P11: "Header, 5-Pin"
P12 P13 P14 P15: "Header, 3-Pin"
R1 R2 R3: library part Res1, "Resistor"
R4: library part "Res Adj2", "Variable Resistor"
R5 R8 R9 R20 R21 R24 R26 R28 R30 R32: library part R, "ÌùÆ¬µç×è"
R6 R7 R10 R11 R12 R13 R14 R15 R16 R17 R18 R19 R22 R23 R25 R27 R29 R31 R33 R34 R35: library part R
RJ3: library part HR911105
S1 S2: library part SW-PB, "Switch"
U3: library part LM1084
U4: library part LM2596-ADJ
U5: library part LAN8720, "ETH PHY"
U8 U9: library part SN65HVD230D
Y1 Y2: library part XTAL, "Crystal Oscillator"

## Via types
v1: diameter 0.6, hole 0.3, Top Layer to Bottom Layer, 131 vias
v2: diameter 0.8, hole 0.5, Top Layer to Bottom Layer, 15 vias
v3: diameter 0.6, hole 0.35, Top Layer to Bottom Layer, 2 vias
v4: diameter 1.1, hole 0.9, Top Layer to Bottom Layer, 1 vias
v5: diameter 0.66, hole 0.36, Top Layer to Bottom Layer, 1 vias

## Nets (pads, with @x,y where several pads share a name; then routed paths per layer and width w, separated by ;. In a path a pad name is that pad's centre, name@x,y a point inside that pad or via, vN(x,y) a via of type N, cw(c..) or ccw(c..) an arc to the next point about the centre after c; other vN are vias at no path point)
3.3V: BEEP.1 C2.2 C5.1 C14.1 C15.1 C16.2 C25.2 C26.2 C35.2 C36.2 C37.2 C38.2 C39.2 C40.2 C41.2 C42.2 C43.2 C44.2 C45.2 C46.2 L3.2 P6.4 R5.2 R8.1 R9.1 R22.2 R23.2 R24.1 R26.1 R28.1 R30.1 R31.2 R33.2 U1.16 U3.2 U5.9 U6.17 U6.30 U6.39 U6.52 U6.62 U6.72 U6.84 U6.95 U6.108 U6.121 U6.131 U6.144 U7.1 | length 447.4
  Top Layer w0.254: R5.2@47.041,16.045 48.802,16.045 R31.2@48.819,16.028 48.819,13.995 v1(48.87,14.046) ; v1(50.978,27.178) 50.978,25.748 51.027,25.797 U6.30@55.439,25.797 ; v1(50.978,30.988) 50.91,31.056 C36.2@50.91,32.258 50.948,32.297 U6.17@55.439,32.297 ; C39.2@53.865,47.092 R33.2@55.559,47.092 ; U6.144@57.239,42.097 57.239,43.726 55.559,45.406 R33.2@55.559,47.092 ; U6.39@58.239,20.997 58.239,15.911 C43.2@58.318,15.832 ; C43.2@58.242,15.832 C43.2@58.318,15.832 ; U6.131@63.739,42.097 63.739,47.03 C38.2@63.72,47.049 ; U6.52@64.739,20.997 C44.2@64.739,15.832 ; v1(68.021,61.138) 66.421,62.738 66.421,72.365 67.005,72.948 C16.2@68.326,72.948 70.184,72.948 L3.2@70.358,72.774 ; v1@68.072,47.015 68.25,47.193 C40.2@68.724,47.193 ; U6.121@68.739,42.097 68.739,45.32 69.055,45.636 C40.2@69.055,47.142 69.055,47.193 C40.2@68.724,47.193 ; C40.2@68.739,47.178 C40.2@68.724,47.193 ; C46.2@69.688,15.832 C44.2@64.739,15.832 ; C46.2@69.723,15.807 70.96,15.807 71.349,15.418 v1(71.349,14.122) ; C46.2@69.739,15.883 U6.62@69.739,20.997 ; U5.9@72.902,56.344 72.902,53.946 74.041,52.807 74.041,51.892 72.111,49.962 67.818,49.962 64.973,47.117 63.787,47.117 C38.2@63.72,47.049 ; U6.72@74.739,20.997 74.739,19.583 v1(75.374,18.948) 76.022,18.3 C45.2@76.022,15.451 77.081,15.451 77.47,15.062 77.47,14.161 v1(77.406,14.097) ; U6.84@76.539,28.297 83.37,28.297 C41.2@83.439,28.227 ; U6.95@76.539,33.797 C35.2@86.682,33.797 ; U6.108@76.539,40.297 80.734,40.297 82.677,42.24 C37.2@83.456,42.24 ; C35.2@86.885,33.757 v1(86.885,32.545) 96.918,32.545 98.392,31.072 v1(102.091,31.072) 104.123,31.072 104.41,31.36 C5.1@104.41,32.995 ; C2.2@100.762,27.119 v1(102.091,27.119) ; R28.1@104.359,39.632 R26.1@104.359,38.015 R24.1@104.359,36.398 R30.1@104.359,34.781 104.41,34.73 C5.1@104.41,32.995 ; U1.16@109.813,29.185 109.813,31.258 108.077,32.995 C5.1@104.41,32.995 ; R33.2@55.559,47.092 55.559,48.117 55.905,48.463 63.475,48.463 63.711,48.227 C38.2@63.711,47.041 C38.2@63.72,47.049 ; C43.2@58.318,15.832 C44.2@64.676,15.832 C44.2@64.739,15.832
  Top Layer w0.6: v1(22.42,12.463) R22.2@22.42,14.3 ; U3.2@27.178,35.989 27.178,33.223 28.042,32.36 29.441,32.36 29.449,32.352 ; U3.2@27.178,41.989 27.178,44.552 31.902,49.276 38.608,49.276 38.608,33.528 37.448,32.368 34.154,32.368 34.138,32.352 29.449,32.352 ; v1(27.186,12.53) R23.2@27.186,14.275 30.81,14.275 32.055,15.519 32.055,29.616 30.963,30.709 U7.1@29.464,30.709 29.464,32.337 29.449,32.352 ; C14.1@38.659,49.319 41.681,49.319 C15.1@41.707,49.344 ; C15.1@41.631,49.344 C15.1@41.707,49.344 ; C39.2@53.865,47.092 53.865,49.03 53.551,49.344 C15.1@41.707,49.344
  Bottom Layer w0.254: v1(27.186,12.53) 30.285,12.53 31.801,14.046 v1(48.87,14.046) ; v1(50.978,27.178) 50.978,29.007 ; v1(50.978,30.988) 50.978,29.007 ; v1(71.349,14.122) v1@71.323,14.097 ; v1(75.374,18.948) 80.899,18.948 82.017,20.066 v1(82.017,28.296) 82.017,31.521 83.041,32.545 v1(86.885,32.545) 86.893,32.553 86.893,40.513 86.157,41.25 84.963,41.25 ; v1(77.406,14.097) v1@71.323,14.097 ; R8.1@81.678,43.383 81.678,41.267 v1(81.661,41.25) ; R9.1@84.93,43.383 84.861,43.315 84.861,41.351 84.963,41.25 ; BEEP.1@89.764,62.55 69.434,62.55 v1(68.021,61.138) 67.97,61.087 v1(67.97,47.117) 76.937,47.117 P6.4@78.384,45.669 78.384,42.139 79.273,41.25 v1(81.661,41.25) ; v1(102.091,27.119) v1(102.091,31.072) ; v1(48.87,14.046) 48.87,28.524 48.895,28.524 49.378,29.007 50.978,29.007 ; v1(48.87,14.046) 48.92,14.097 v1@71.323,14.097 ; v1(81.661,41.25) 84.963,41.25
  Bottom Layer w0.6: v1(22.42,12.463) 22.487,12.53 v1(27.186,12.53)
931-I2C-SCL: R23.1 U6.11 U7.11 | length 60.1
  Top Layer w0.254: U7.11@25.654,18.709 25.654,10.668 26.086,10.236 37.44,10.236 38.1,10.897 38.1,30.947 42.45,35.297 U6.11@55.439,35.297
931-I2C-SDA: R22.1 U6.10 U7.12 | length 61.6
  Top Layer w0.254: v3(23.927,11.227) 23.96,11.26 R22.1@23.96,14.3 23.96,15.146 24.384,15.57 U7.12@24.384,18.709 ; v3(26.543,11.201) 27.084,10.66 37.229,10.66 37.229,30.675 42.35,35.797 U6.10@55.439,35.797
  Bottom Layer w0.254: v3(23.927,11.227) 23.952,11.201 v3(26.543,11.201)
+12V: C1.2 C8.1 C9.2 L1.2 P4.2 P5.2 P12.1 P13.1 P14.1 P15.1 R3.2 U4.1 | length 185.4
  Top Layer w0.6: C8.1@30.669,67.081 30.669,69.785 31.902,71.018 39.522,71.018 40.742,72.238 40.742,75.26 41.148,75.667 48.666,75.667 51.74,78.74 R3.2@51.74,81.348 C1.2@53.518,81.348
  Top Layer w1.2: C8.1@30.669,67.081 30.821,67.234 43.866,67.234 47.511,70.879 51.119,70.879 U4.1@51.13,70.89
  Top Layer w2: P4.2@10.668,19.558 10.49,19.736 5.715,19.736 ; P13.1@23.038,7.417 23.038,4.318 23.023,4.303 ; C8.1@30.404,67.081 24.155,60.833 24.155,47.752 12.979,36.576 P5.2@10.668,36.576 7.036,36.576 5.715,35.255 5.715,19.736 ; P14.1@34.014,7.442 34.014,4.303 23.023,4.303 ; 34.076,4.303 44.958,4.303 P15.1@44.958,7.366 ; 5.715,19.736 5.715,13.68 P12.1@11.978,7.417 11.978,4.303 23.023,4.303
  Bottom Layer w0.8: C9.2@30.669,63.703 C8.1@30.669,67.081
+24V: F1.1 P2.2 P3.2 R4.2 | length 88.6
  Top Layer w2.2: P2.2@16.165,74.727 P2.2@16.766,74.126
  Top Layer w3: P2.2@16.165,74.727 2.794,74.727 ; P3.2@16.741,53.8 4.442,53.8 2.794,55.448 2.794,74.727 ; F1.1@24.78,88.29 24.78,93.059 R4.2@23.809,94.031 13.081,94.031 2.794,83.744 2.794,74.727
BEEP: R27.1 U6.99 | length 26.1
  Top Layer w0.254: U6.99@76.539,35.797 85.21,35.797 88.986,39.573 94.717,39.573 98.052,42.909 R27.1@99.67,42.909
BOOT0: R32.2 U6.138 | length 5.6
  Top Layer w0.254: U6.138@60.239,41.894 U6.138@60.239,42.097 60.239,44.948 60.485,45.195 R32.2@60.485,47.092 R32.2@60.239,46.845
CAN1_RX: U6.114 U8.4 | length 44.3
  Top Layer w0.254: U6.114@72.239,42.097 72.239,45.112 74.778,47.65 87.96,47.65 99.517,59.207 U8.4@99.517,67.335
CAN1_TX: U6.115 U8.1 | length 42.9
  Top Layer w0.254: U6.115@71.739,42.097 71.739,45.349 74.572,48.182 87.806,48.182 95.707,56.083 U8.1@95.707,67.335
CAN2_RX: U6.73 U9.4 | length 88.4
  Top Layer w0.254: U6.73@76.539,22.797 78.346,22.797 78.519,22.624 78.519,13.825 v1(77.826,13.132) ; v2(101.6,59.969) 102.743,59.969 105.461,62.687 U9.4@105.461,67.352
  Bottom Layer w0.254: v1(77.826,13.132) 78.791,14.097 82.986,14.097 82.991,14.102 83.837,14.102 83.842,14.097 93.574,14.097 95.021,15.545 95.021,56.007 99.009,59.995 101.575,59.995 v2(101.6,59.969)
CAN2_TX: U6.74 U9.1 | length 88.2
  Top Layer w0.254: U6.74@76.539,23.297 78.506,23.297 78.943,22.86 78.943,13.259 v1(77.978,12.294) ; v1(100.889,58.496) 100.889,62.433 101.651,63.195 U9.1@101.651,67.352
  Bottom Layer w0.254: v1(77.978,12.294) 79.357,13.673 83.161,13.673 83.166,13.678 83.661,13.678 83.666,13.673 93.749,13.673 95.445,15.369 95.445,55.237 98.781,58.572 v1@100.889,58.572
ETH_MDC: U5.13 U6.27 | length 113.3
  Top Layer w0.254: v1(52.045,27.28) 52.062,27.297 U6.27@55.439,27.297 ; U5.13@75.152,57.094 77.12,57.094 77.559,56.655 v1(77.699,56.655)
  Bottom Layer w0.254: v1(52.045,27.28) 52.045,21.488 58.09,15.443 93.574,15.443 94.056,15.926 94.056,55.956 93.358,56.655 v1(77.699,56.655)
ETH_MDIO: R10.1 U6.36 | length 92.2
  Top Layer w0.254: v1(52.68,22.555) 52.921,22.797 U6.36@55.439,22.797 ; v1(78.562,54.026) 78.58,54.043 R10.1@80.01,54.043 R10.1@80.035,54.018
  Bottom Layer w0.254: v1(52.68,22.555) 52.68,21.844 58.598,15.926 87.575,15.926 91.188,19.539 91.188,49.904 88.123,52.969 87.067,54.026 v1(78.562,54.026)